# Altium PCB PCB1_backup1.PcbDoc (part 1 of 2)
Units mil, origin at the board's own origin, x right, y up, seen from the top; angles counter-clockwise.
Board outline 1500 x 3220 mil, 4 copper layers (Top Layer, Int1 (GND), Int2 (GND), Bottom Layer), stack 53.912 mil thick; 81 components, 45 nets, 261 pads, 80 vias.
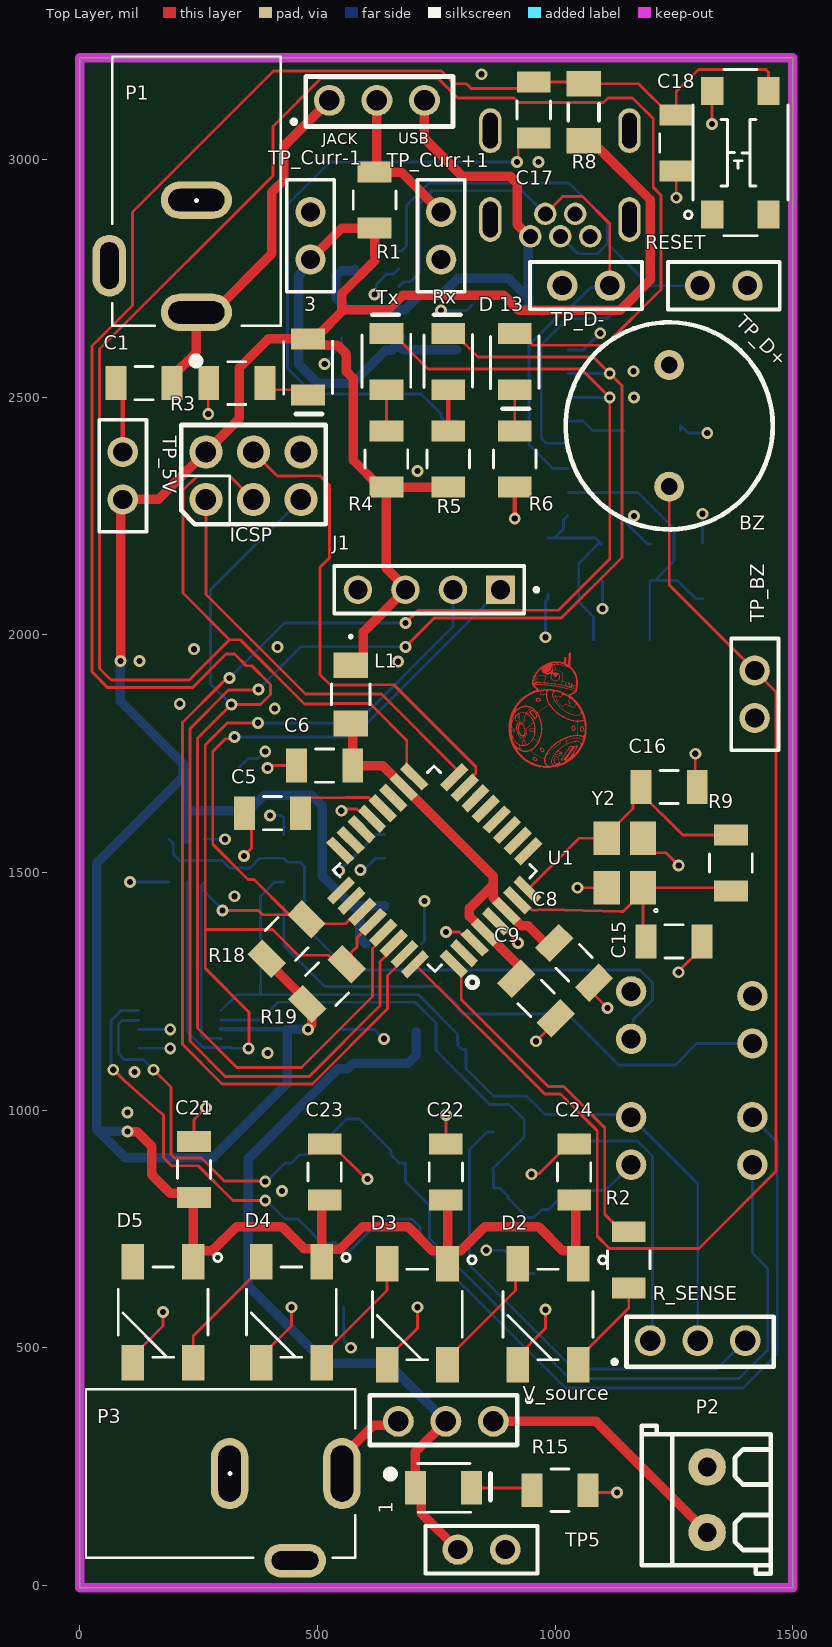
[diagram p0: Top Layer view]
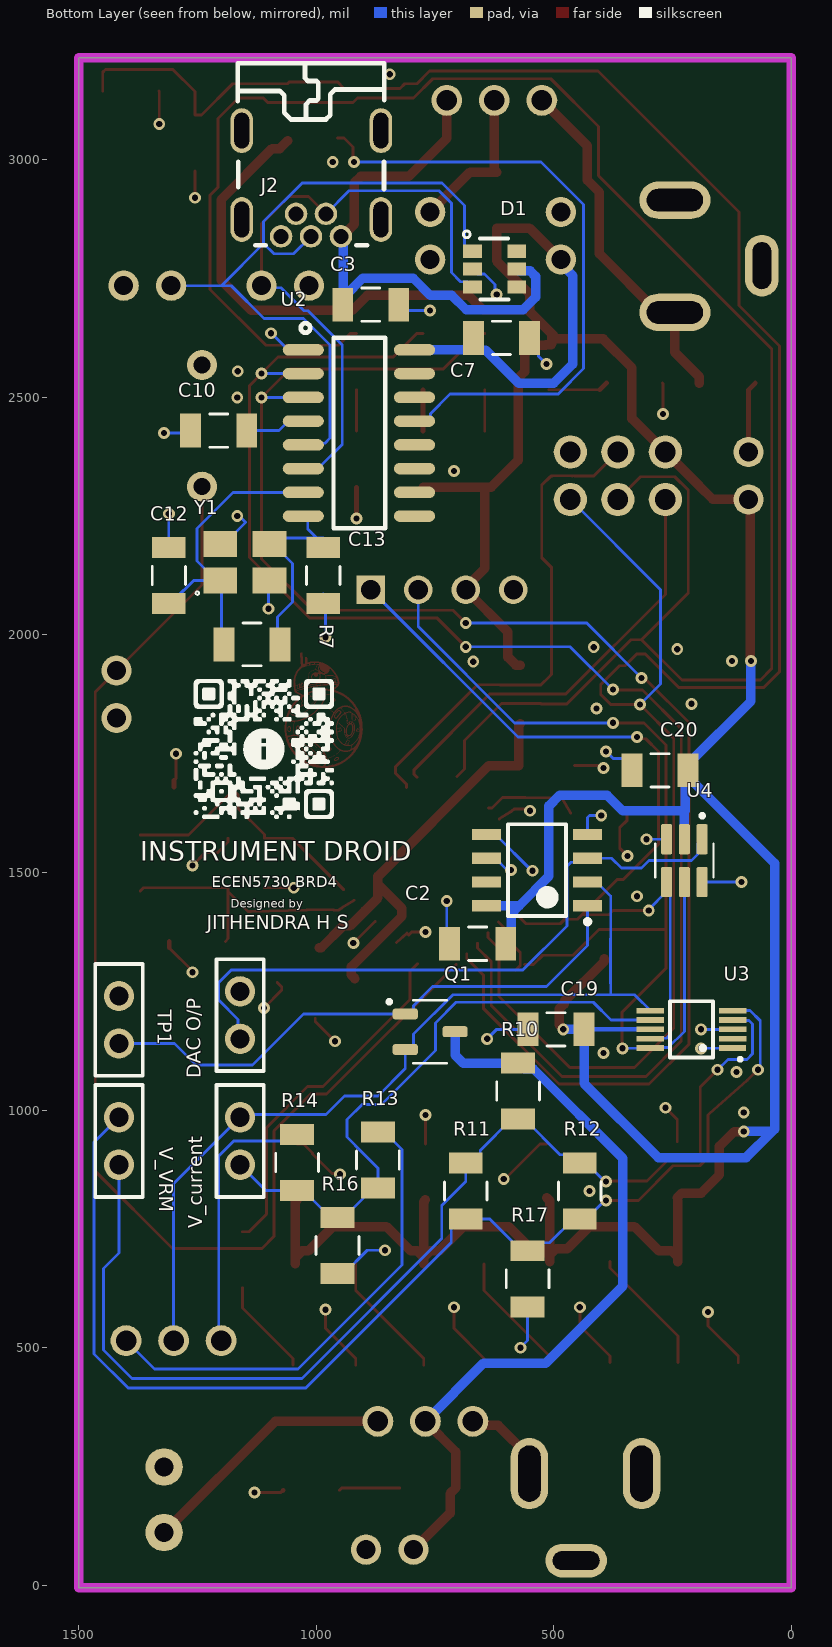
[diagram p1: Bottom Layer view, seen from below]
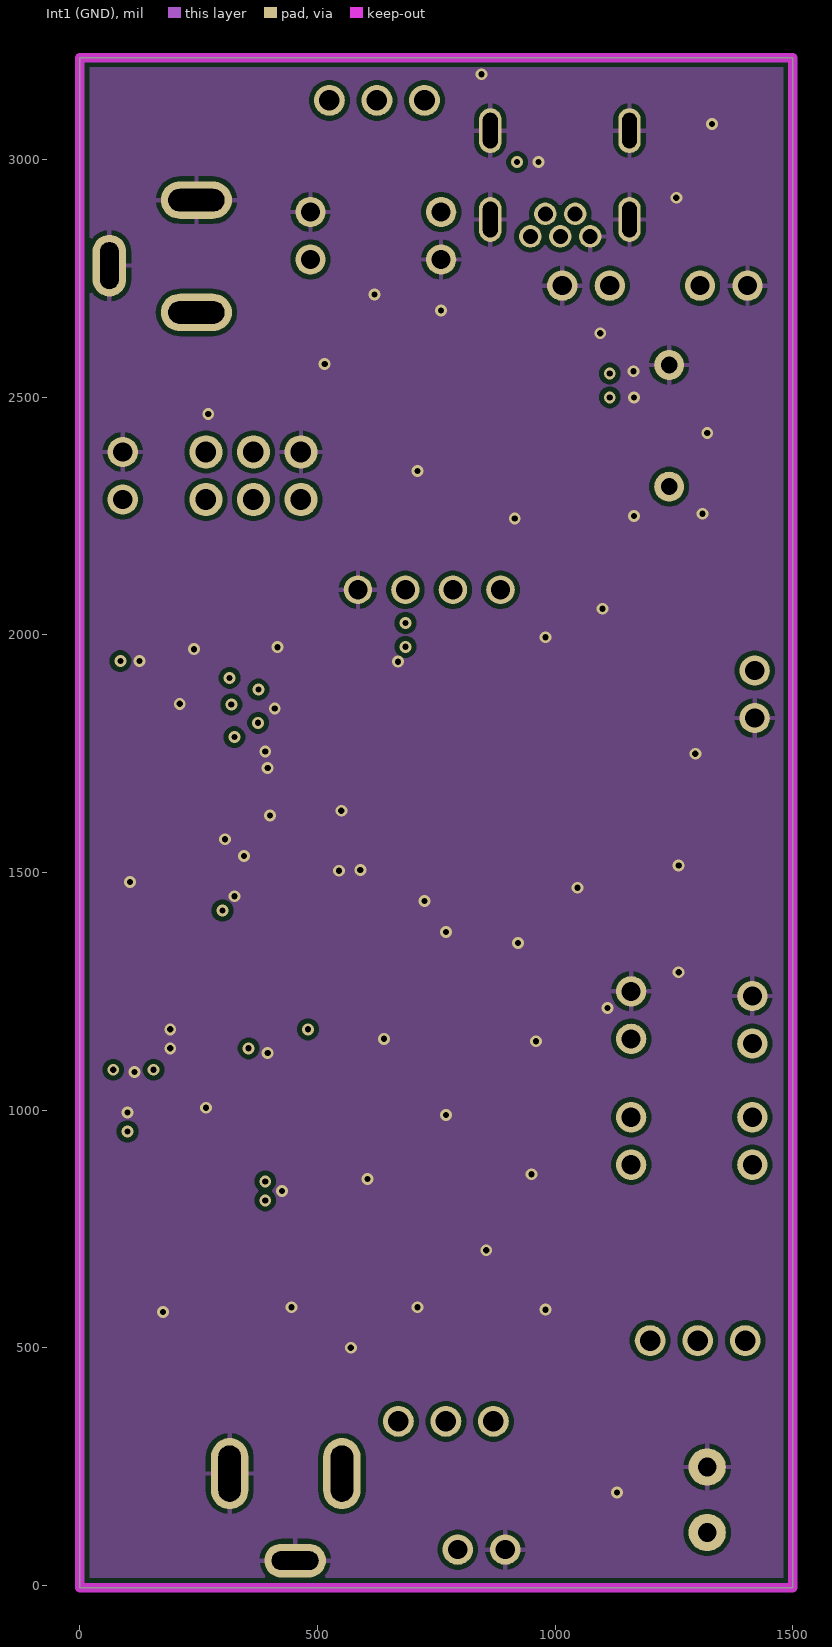
[diagram p2: Int1 (GND)]
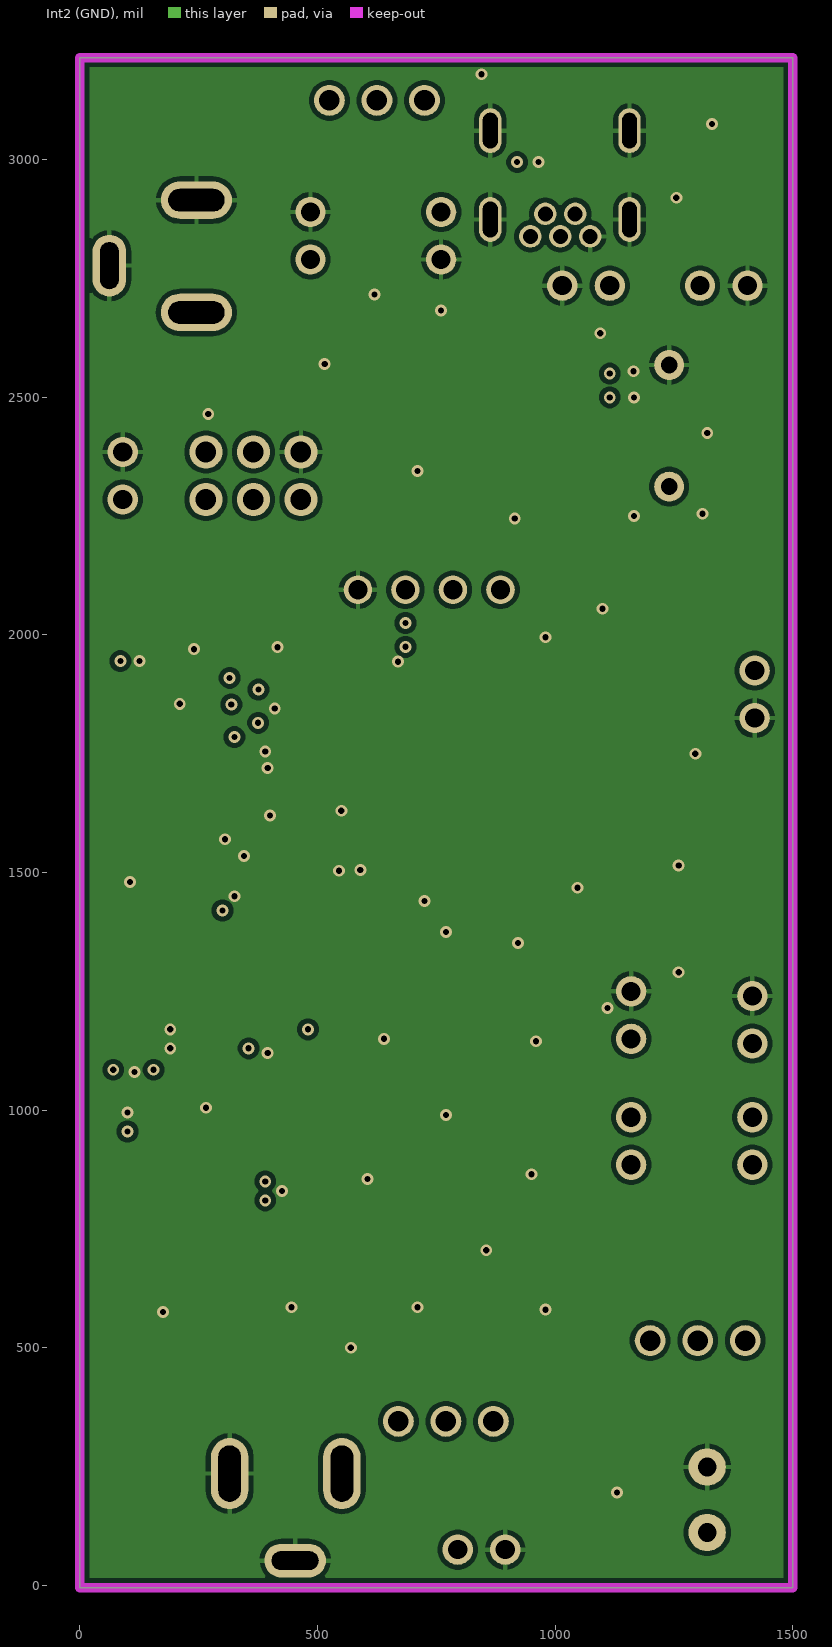
[diagram p3: Int2 (GND)]
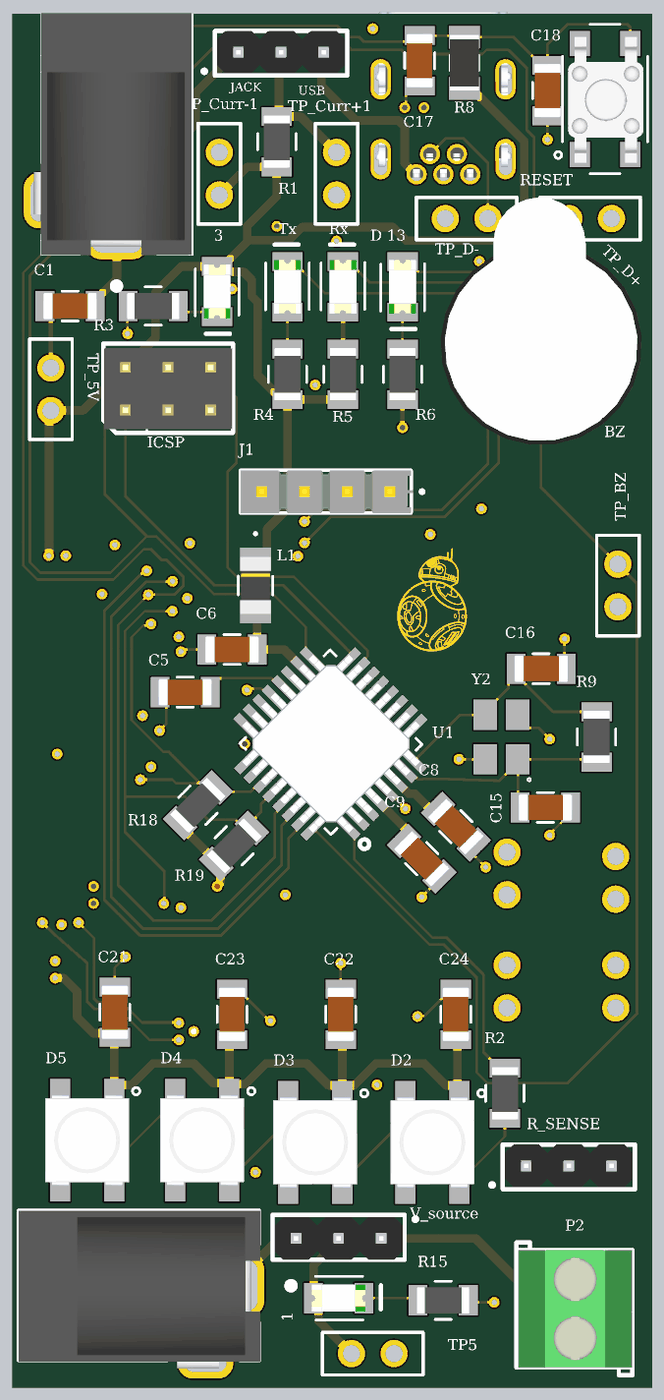
[diagram p5: 3D render of the assembled board from above, using the file's embedded part models]
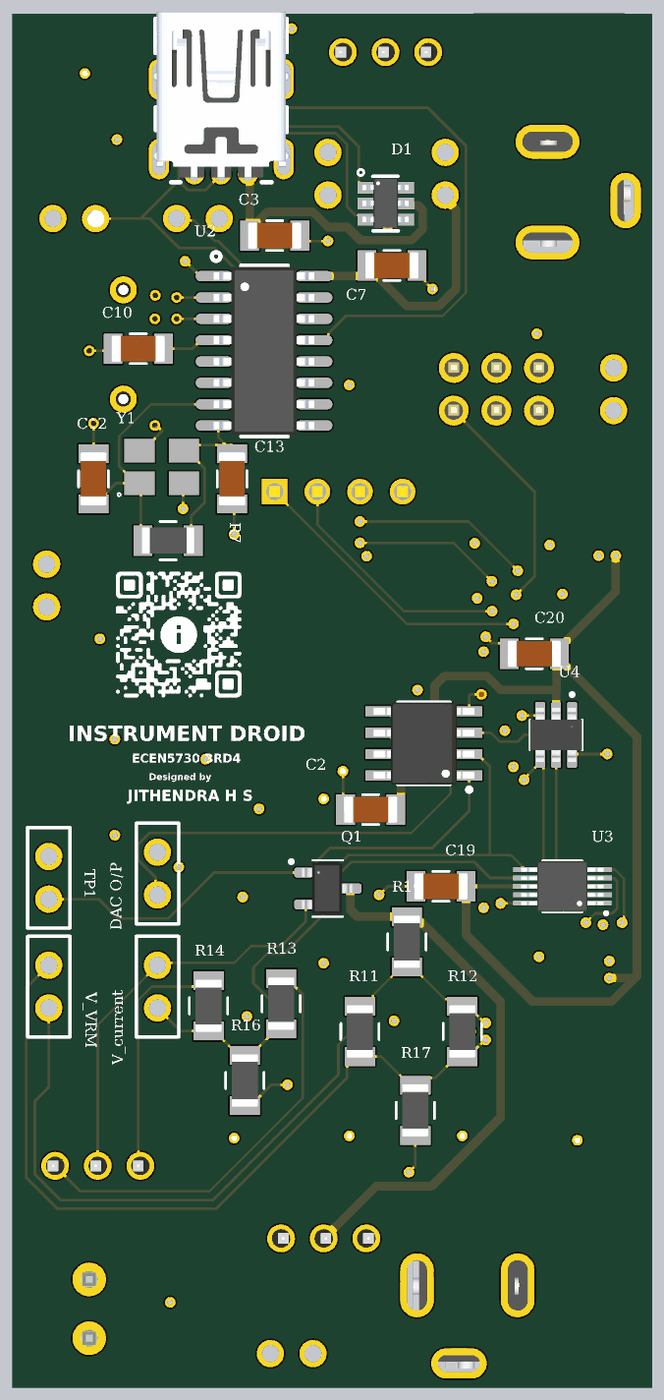
[diagram p6: 3D render of the assembled board from below, using the file's embedded part models]

## Layer stack, top to bottom
Top Solder: solder mask 1, SM-001, Dk 4
Top Layer: signal copper 1.378
Dielectric 1: prepreg 5.1, PP-017, Dk 4.3
Dielectric 2: prepreg 5.1, PP-017, Dk 4.3
Int1 (GND): signal copper 1.378
Dielectric 3: core 28, Core-039, Dk 4.8
Int2 (GND): signal copper 1.378
Dielectric 4: prepreg 5.1, PP-017, Dk 4.3
Dielectric 5: prepreg 5.1, PP-017, Dk 4.3
Bottom Layer: signal copper 1.378
Bottom Solder: solder mask 1, SM-001, Dk 4

## Board outline
0,3215 1500,3215 1500,-5 0,-5

## Design rules (kind name [scope] priority, off if disabled: settings)
Clearance [All] p1: gap=10 ignorepadtopadclearanceinfootprint=FALSE
PlaneClearance [All] p1: clearance=10
PlaneConnect [All] p1: planeconnectstyle=Direct reliefexpansion=20 reliefentries=4 reliefconductorwidth=10 reliefairgap=10
PolygonConnect [All] p1: thpad.connectstyle=Relief thpad.reliefconductorwidth=10 thpad.reliefentries=4 thpad.polygonreliefangle="90 Angle" thpad.airgapwidth=10 smdpad.connectstyle=Direct smdpad.reliefconductorwidth=10 smdpad.reliefentries=4 smdpad.polygonreliefangle="90 Angle" smdpad.airgapwidth=10 via.connectstyle=Direct via.reliefconductorwidth=10 via.reliefentries=4 via.polygonreliefangle="90 Angle" via.airgapwidth=10
RoutingVias [All] p1: holewidth=13 width=80 viastyle="Through Hole" minholewidth=13 minwidth=25 maxholewidth=60 maxwidth=25
SolderMaskExpansion [All] p1: expansion=4 istentingtop=FALSE
UnRoutedNet [All] p1: checkbadconnections=TRUE
Width "Schematic Width Constraint_6" [InNet('NetP2_1')] p1: maxlimit=20 minlimit=10 preferedwidth=20 toplayer_minwidth=20 midlayer1_maxwidth=10 midlayer1_prefwidth=10 midlayer2_maxwidth=10 midlayer2_prefwidth=10 bottomlayer_minwidth=20 minimp=50.000000 maximp=50.000000 favimp=50.000000
Width "Schematic Width Constraint_1" [InNet('NetP3_1')] p2: maxlimit=20 minlimit=10 preferedwidth=20 toplayer_minwidth=20 midlayer1_maxwidth=10 midlayer1_prefwidth=10 midlayer2_maxwidth=10 midlayer2_prefwidth=10 bottomlayer_minwidth=20 minimp=50.000000 maximp=50.000000 favimp=50.000000
Width "Schematic Width Constraint_8" [InNet('V_Source')] p3: maxlimit=20 minlimit=10 preferedwidth=20 toplayer_minwidth=20 midlayer1_maxwidth=10 midlayer1_prefwidth=10 midlayer2_maxwidth=10 midlayer2_prefwidth=10 bottomlayer_minwidth=20 minimp=50.000000 maximp=50.000000 favimp=50.000000
Width "Schematic Width Constraint_5" [InNet('5V_JACK')] p4: maxlimit=30 minlimit=10 preferedwidth=20 toplayer_minwidth=20 midlayer1_maxwidth=10 midlayer1_prefwidth=10 midlayer2_maxwidth=10 midlayer2_prefwidth=10 bottomlayer_minwidth=20 minimp=50.000000 maximp=50.000000 favimp=50.000000
Width "Schematic Width Constraint_4" [InNet('NetC6_2')] p5: maxlimit=30 minlimit=10 preferedwidth=20 toplayer_minwidth=20 midlayer1_maxwidth=10 midlayer1_prefwidth=10 midlayer2_maxwidth=10 midlayer2_prefwidth=10 bottomlayer_minwidth=20 minimp=50.000000 maximp=50.000000 favimp=50.000000
Width "Schematic Width Constraint_3" [InNet('+5')] p6: maxlimit=30 minlimit=10 preferedwidth=20 toplayer_minwidth=20 midlayer1_maxwidth=10 midlayer1_prefwidth=10 midlayer2_maxwidth=10 midlayer2_prefwidth=10 bottomlayer_minwidth=20 minimp=50.000000 maximp=50.000000 favimp=50.000000
Width "Schematic Width Constraint_2" [InNet('NetR1_2')] p7: maxlimit=30 minlimit=10 preferedwidth=20 toplayer_minwidth=20 midlayer1_maxwidth=10 midlayer1_prefwidth=10 midlayer2_maxwidth=10 midlayer2_prefwidth=10 bottomlayer_minwidth=20 minimp=50.000000 maximp=50.000000 favimp=50.000000
Width "Schematic Width Constraint" [InNet('5V_USB')] p8: maxlimit=30 minlimit=10 preferedwidth=20 toplayer_minwidth=20 midlayer1_maxwidth=10 midlayer1_prefwidth=10 midlayer2_maxwidth=10 midlayer2_prefwidth=10 bottomlayer_minwidth=20 minimp=50.000000 maximp=50.000000 favimp=50.000000
Width [All] p9: maxlimit=10 minlimit=6 preferedwidth=6 minimp=50.000000 maximp=50.000000 favimp=50.000000
27 further rules are at their usual default settings.

## Classes and differential pairs
component class Sheet3: 1 3 BZ C1 C3 C5 C6 C7 C8 C9 C10 C12 C13 C15 C16 C17 C18 D1 "D 13" ICSP J1 J2 L1 P1 P2 P3 R1 R3 R4 R5 R6 R7 R8 R9 R15 R18 R19 RESET Rx TP5 TP_5V TP_BZ TP_Curr+1 TP_Curr-1 TP_D+ TP_D- Tx U1 U2 V_source Y1 Y2
component class Sheet2: C2 C19 C20 C21 C22 C23 C24 D2 D3 D4 D5 Q1 R2 R10 R11 R12 R13 R14 R16 R17

## Components (designator, comment, footprint, x,y, rotation, side; value= is the part's Value field where it differs from the comment)
1 "LED_RED_1206" LED_1206 765,205 r0 top value=Red
3 "LED_RED_1206" LED_1206 480,2564 r270 top value=Red
BZ "AT-1224-TWT-5V-2-R" "BUZZER- TH" 1240,2440 r0 top (schematic designator BZ1)
C1 "C_22uF_1206" 1206_Passive_Capacitor 135,2530 r0 top value=22µF
C2 "C_22uF_1206" 1206_Passive_Capacitor 660,1350 r0 bottom value=22µF
C3 "C_22uF_1206" 1206_Passive_Capacitor 885,2695 r0 bottom value=22µF
C5 "1uF" 1206_Passive_Capacitor 405,1625 r180 top
C6 "C_22uF_1206" 1206_Passive_Capacitor 515,1725 r0 top value=22µF
C7 "C_22uF_1206" 1206_Passive_Capacitor 610,2625 r180 bottom value=22µF
C8 "C_22uF_1206" 1206_Passive_Capacitor 1040,1310 r135 top value=22µF
C9 "C_22uF_1206" 1206_Passive_Capacitor 960,1235 r135 top value=22µF
C10 "C_22uF_1206" 1206_Passive_Capacitor 1205,2430 r0 bottom value=22µF
C12 "C_22uF_1206" 1206_Passive_Capacitor 1310,2125 r270 bottom value=22pF
C13 "C_22uF_1206" 1206_Passive_Capacitor 985,2125 r90 bottom value=22pF
C15 "C_22uF_1206" 1206_Passive_Capacitor 1250,1355 r180 top value=22pF
C16 "C_22uF_1206" 1206_Passive_Capacitor 1240,1680 r180 top value=22pF
C17 "10uF" 1206_Passive_Capacitor 955,3105 r90 top
C18 "C_1uF_1206" 1206_Passive_Capacitor 1255,3035 r90 top value=1µF
C19 "C_22uF_1206" 1206_Passive_Capacitor 495,1170 r0 bottom value=22µF
C20 "C_22uF_1206" 1206_Passive_Capacitor 276,1715 r0 bottom value=22µF
C21 "C_22uF_1206" 1206_Passive_Capacitor 240,875 r90 top value=22µF
C22 "C_22uF_1206" 1206_Passive_Capacitor 770,870 r90 top value=22µF
C23 "C_22uF_1206" 1206_Passive_Capacitor 515,870 r90 top value=22µF
C24 "C_22uF_1206" 1206_Passive_Capacitor 1040,870 r90 top value=22µF
D1 "D_TVS_Diode" TVS 625,2770 r180 bottom value="TVS DIODE 5.5V 6TSOP"
D2 "IN-PI55QATPRPGPBPW" "SERIAL_LED - duplicate" 985,570 r270 top
D3 "IN-PI55QATPRPGPBPW" "SERIAL_LED - duplicate" 710,570 r270 top
D4 "IN-PI55QATPRPGPBPW" "SERIAL_LED - duplicate" 445,575 r270 top
D5 "IN-PI55QATPRPGPBPW" "SERIAL_LED - duplicate" 175,575 r270 top
"D 13" "LED_RED_1206" LED_1206 915,2575 r270 top value=Red (schematic designator LED1)
"DAC O/P" "10x Probe TP" TP_Diff_Probe 1160,1150 r90 bottom (schematic designator TP2)
ICSP "NRPN032PAEN-RC" ICSP 265,2285 r90 top (schematic designator J4)
J1 "TSW-104-14-S-S" JM-4_TSW-104-14-S-S 885,2095 r180 top
J2 "J_USB_B_Mini" USB_MINI_B 1010,2950 r0 bottom value="USB mini B"
JACK "SW_3Pin_100mil_Switch" 3_PIN_100mil 525,3125 r0 top value="CONN HEADER VERT 3POS 2.54MM" (schematic designator SW1)
L1 "FB_10uH_1206" AIML-1206_ABR-M 570,1875 r270 top
P1 "P_Power Jack" Power_Jack 245,2678.78 r90 top value="CONN PWR JACK 2X5.5MM SOLDER"
P2 "2P Screw Terminal Block" "P_Terminal block 3.5mm-pitch" 1320,180 r90 top
P3 "Power Jack" Power_Jack 551.22,235 r180 top value="CONN PWR JACK 2X5.5MM SOLDER"
Q1 "AO3400A" N-MOSFET 760,1165 r180 bottom value="N channel"
R1 "R_500mOhm_1206" 1206_Passive_Resitor 620,2915 r90 top value=0.5
R2 "100Ohm" 1206_Passive_Resitor 1155,685 r90 top
R3 "R_1K_1206" 1206_Passive_Resitor 330,2530 r0 top value=1k
R4 "R_1K_1206" 1206_Passive_Resitor 645,2370 r90 top value=1k
R5 "R_1K_1206" 1206_Passive_Resitor 775,2370 r90 top value=1k
R6 "R_1K_1206" 1206_Passive_Resitor 915,2370 r90 top value=1k
R7 "1M" 1206_Passive_Resitor 1135,1980 r180 bottom value="1M Ohm"
R8 "Resistor 10k +/-1% 1206 250 mW" RESC3216X60X45ML15T20 1060,3100 r270 top value=10k
R9 "1M" 1206_Passive_Resitor 1370,1520 r90 top value="1M Ohm"
R10 "10k" 1206_Passive_Resitor 575,1040 r90 bottom value=10KOhm
R11 "10k" 1206_Passive_Resitor 685,830 r90 bottom value=10KOhm
R12 "10k" 1206_Passive_Resitor 445,830 r90 bottom value=10KOhm
R13 "10 Ohm" 1206_Passive_Resitor 870,895 r90 bottom
R14 "1 Ohm" 1206_Passive_Resitor 1040,890 r270 bottom value=1Ohm
R15 "R_10K_1206" 1206_Passive_Resitor 1010,200 r180 top value=10k
R16 "0 Ohm" 1206_Passive_Resitor 955,715 r90 bottom
R17 "0 Ohm" 1206_Passive_Resitor 555,645 r270 bottom
R18 "4.7KOhm" 1206_Passive_Resitor 435,1360 r45 top
R19 "4.7KOhm" 1206_Passive_Resitor 520,1265 r45 top
R_SENSE "SW_3Pin_100mil_Switch" 3_PIN_100mil 1200,515 r0 top value="CONN HEADER VERT 3POS 2.54MM" (schematic designator SW2)
RESET "SW_Push_Button_JLC" Switch_JLC 1390,3015 r90 top (schematic designator RESET1)
Rx "LED_RED_1206" LED_1206 775,2575 r90 top value=Red (schematic designator Rx1)
TP1 "10x Probe TP" TP_Diff_Probe 1415,1140 r90 bottom
TP5 "10x Probe TP" TP_Diff_Probe 795,75 r0 top
TP_5V "10x Probe TP" TP_Diff_Probe 90,2285 r90 top